# KiCad board register-motherboard.kicad_pcb (continued)
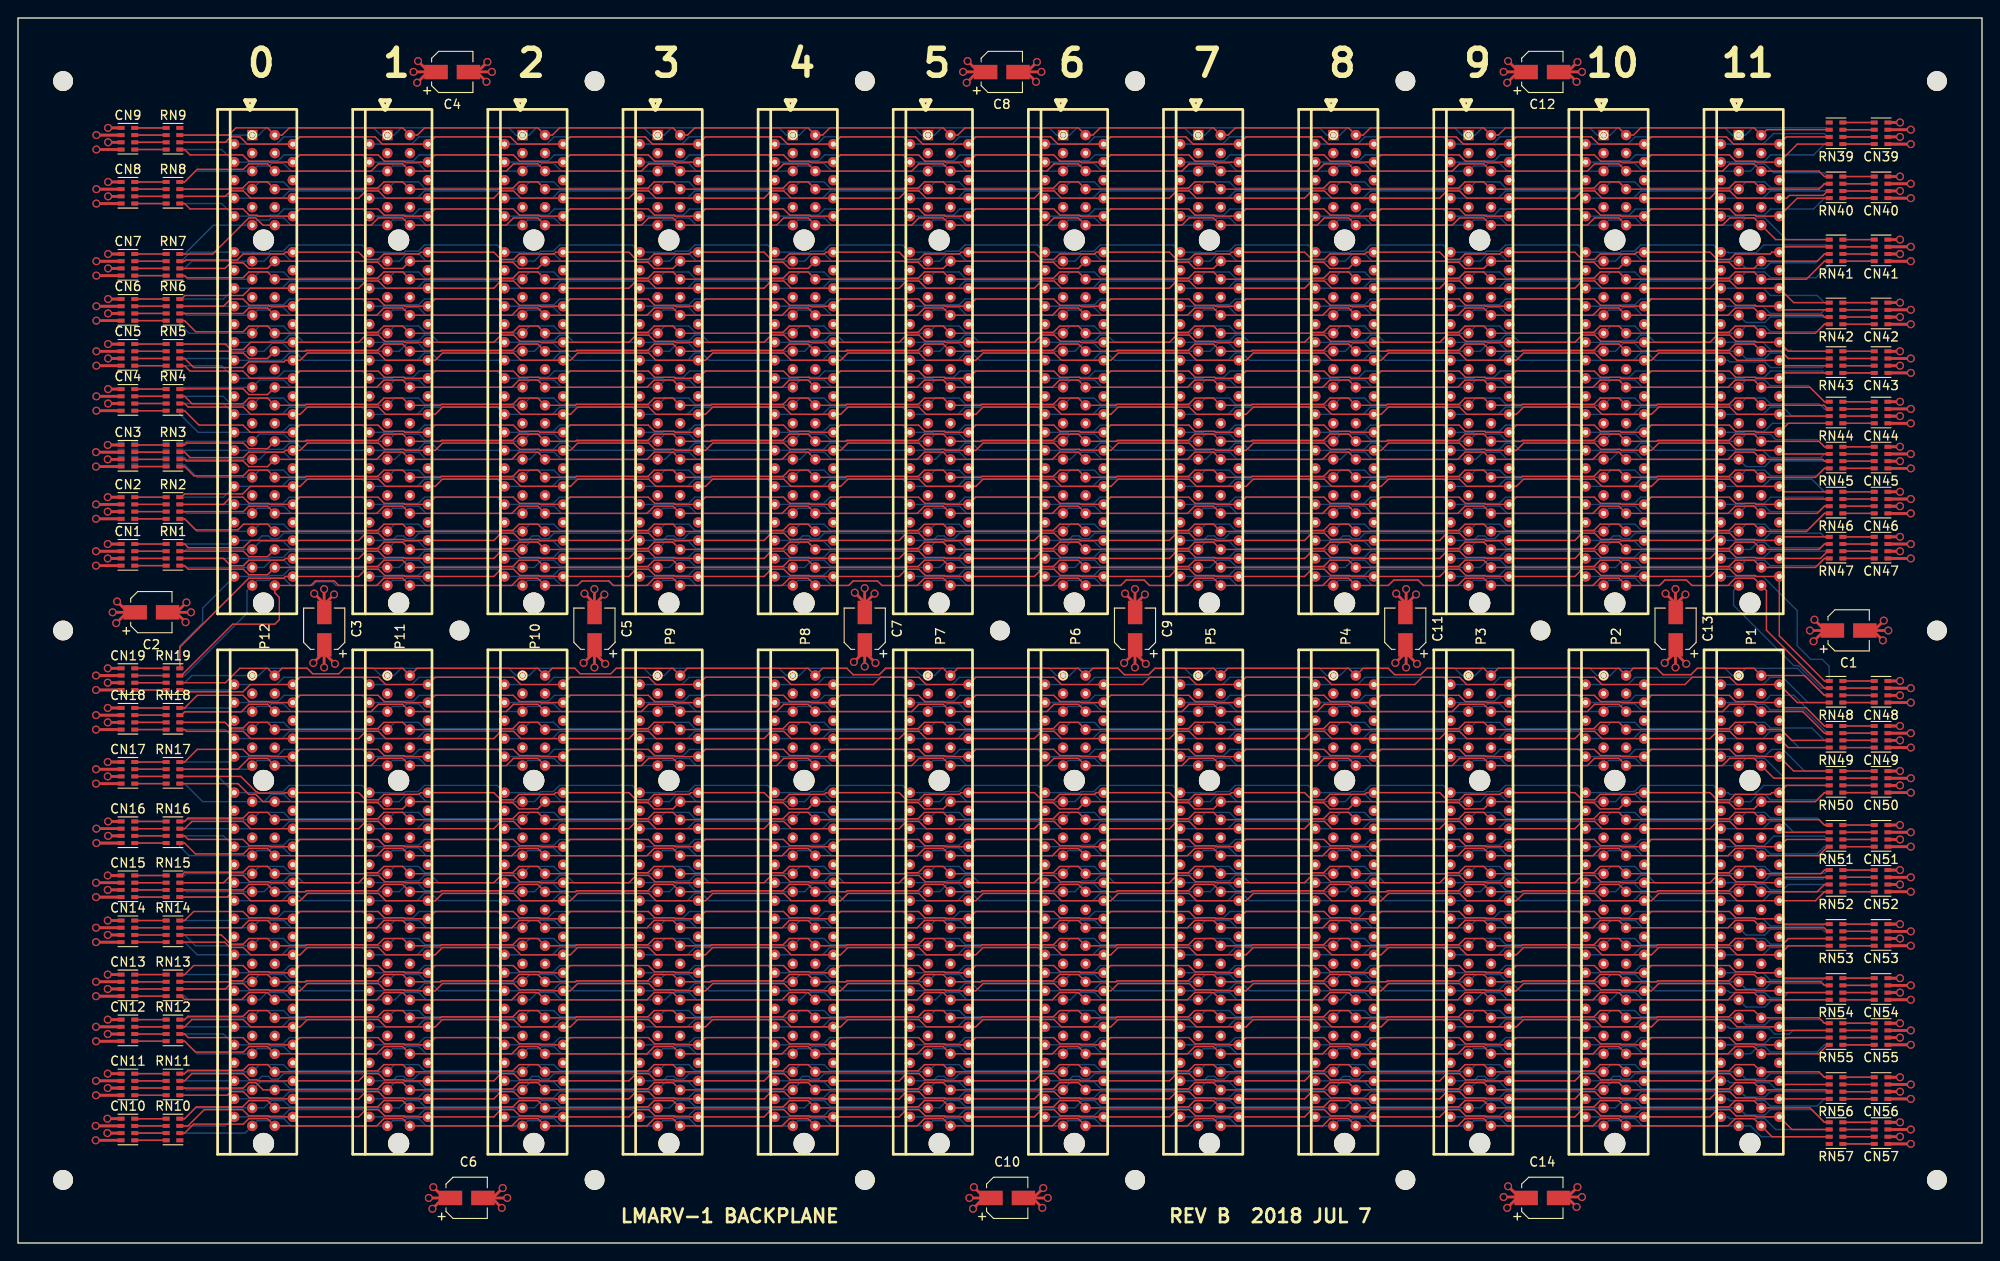
[diagram p0: board, top side]
## Routing (per net, layer and track width the routed paths; a pad name or vN(x,y) marks a point on that pad's centre or on a via; arc(x,y) is an arc through that point) (continued)
/rs1[5]: length 191.3
  Top w0.152: RN15.7 22.81,40 23.61,40.8 25.01,40.8 25.7,40.11 27.82,40.11 27.93,40 P12.169 37.81,40 38.61,40.8 40.01,40.8 40.7,40.11 42.82,40.11 42.93,40 P11.169 52.81,40 53.61,40.8 55.01,40.8 55.7,40.11 57.82,40.11 57.93,40 P10.169 67.81,40 68.61,40.8 70.01,40.8 70.7,40.11 72.82,40.11 72.93,40 P9.169 82.81,40 83.61,40.8 85.01,40.8 85.7,40.11 87.82,40.11 87.93,40 P8.169 97.81,40 98.61,40.8 100.01,40.8 100.7,40.11 102.82,40.11 102.93,40 P7.169 112.81,40 113.61,40.8 115.01,40.8 115.7,40.11 117.82,40.11 117.93,40 P6.169 127.81,40 128.61,40.8 130.01,40.8 130.7,40.11 132.82,40.11 132.93,40 P5.169 142.81,40 143.61,40.8 145.01,40.8 145.7,40.11 147.82,40.11 147.93,40 P4.169 157.81,40 158.61,40.8 160.01,40.8 160.7,40.11 162.82,40.11 162.93,40 P3.169 172.81,40 173.61,40.8 175.01,40.8 175.7,40.11 177.82,40.11 177.93,40 P2.169 187.81,40 188.61,40.8 190.01,40.8 190.7,40.11 192.82,40.11 192.93,40 P1.169 196.1,40.6 RN52.6
/rs1[6]: length 191.3
  Top w0.152: RN15.8 18.12,40.8 18.49,41.17 24.98,41.17 25.61,41.8 27.7,41.8 P12.168 38.38,41 38.49,41.11 39.92,41.11 40.61,41.8 42.7,41.8 P11.168 53.38,41 53.49,41.11 54.92,41.11 55.61,41.8 57.7,41.8 P10.168 68.38,41 68.49,41.11 69.92,41.11 70.61,41.8 72.7,41.8 P9.168 83.38,41 83.49,41.11 84.92,41.11 85.61,41.8 87.7,41.8 P8.168 98.38,41 98.49,41.11 99.92,41.11 100.61,41.8 102.7,41.8 P7.168 113.38,41 113.49,41.11 114.92,41.11 115.61,41.8 117.7,41.8 P6.168 128.38,41 128.49,41.11 129.92,41.11 130.61,41.8 132.7,41.8 P5.168 143.38,41 143.49,41.11 144.92,41.11 145.61,41.8 147.7,41.8 P4.168 158.38,41 158.49,41.11 159.92,41.11 160.61,41.8 162.7,41.8 P3.168 173.38,41 173.49,41.11 174.92,41.11 175.61,41.8 177.7,41.8 P2.168 188.38,41 188.49,41.11 189.92,41.11 190.61,41.8 192.7,41.8 P1.168 200.11,41 200.51,41.4 RN52.5
/rs1[7]: length 191.9
  Top w0.152: RN16.5 18.49,44.4 19.7,43.2 25.01,43.2 25.61,43.8 27.7,43.8 P12.166 39.81,43 40.61,43.8 42.7,43.8 P11.166 54.81,43 55.61,43.8 57.7,43.8 P10.166 69.81,43 70.61,43.8 72.7,43.8 P9.166 84.81,43 85.61,43.8 87.7,43.8 P8.166 99.81,43 100.61,43.8 102.7,43.8 P7.166 114.81,43 115.61,43.8 117.7,43.8 P6.166 129.81,43 130.61,43.8 132.7,43.8 P5.166 144.81,43 145.61,43.8 147.7,43.8 P4.166 159.81,43 160.61,43.8 162.7,43.8 P3.166 174.81,43 175.61,43.8 177.7,43.8 P2.166 189.81,43 190.61,43.8 192.7,43.8 P1.166 199.88,43 200.88,44 RN51.8
/rs1[8]: length 191.2
  Top w0.152: RN51.7 196.3,44.8 P1.165 192.93,44 192.82,44.11 190.66,44.11 189.97,44.8 181.3,44.8 P2.165 177.93,44 177.82,44.11 175.66,44.11 174.97,44.8 166.3,44.8 P3.165 162.93,44 162.82,44.11 160.66,44.11 159.97,44.8 151.3,44.8 P4.165 147.93,44 147.82,44.11 145.66,44.11 144.97,44.8 136.3,44.8 P5.165 132.93,44 132.82,44.11 130.66,44.11 129.97,44.8 121.3,44.8 P6.165 117.93,44 117.82,44.11 115.66,44.11 114.97,44.8 106.3,44.8 P7.165 102.93,44 102.82,44.11 100.66,44.11 99.97,44.8 91.3,44.8 P8.165 87.93,44 87.82,44.11 85.66,44.11 84.97,44.8 76.3,44.8 P9.165 72.93,44 72.82,44.11 70.66,44.11 69.97,44.8 61.3,44.8 P10.165 57.93,44 57.82,44.11 55.66,44.11 54.97,44.8 46.3,44.8 P11.165 42.93,44 42.82,44.11 40.66,44.11 39.97,44.8 31.3,44.8 P12.165 27.93,44 27.82,44.11 25.66,44.11 24.97,44.8 18.89,44.8 18.49,45.2 RN16.6
/rs1[9]: length 191.2
  Top w0.152: RN16.7 18.49,46 19.3,46.8 25.01,46.8 25.81,46 P12.163 37.81,46 38.61,46.8 40.01,46.8 40.81,46 P11.163 52.81,46 53.61,46.8 55.01,46.8 55.81,46 P10.163 67.81,46 68.61,46.8 70.01,46.8 70.81,46 P9.163 82.81,46 83.61,46.8 85.01,46.8 85.81,46 P8.163 97.81,46 98.61,46.8 100.01,46.8 100.81,46 P7.163 112.81,46 113.61,46.8 115.01,46.8 115.81,46 P6.163 127.81,46 128.61,46.8 130.01,46.8 130.81,46 P5.163 142.81,46 143.61,46.8 145.01,46.8 145.81,46 P4.163 157.81,46 158.61,46.8 160.01,46.8 160.81,46 P3.163 172.81,46 173.61,46.8 175.01,46.8 175.81,46 P2.163 187.81,46 188.61,46.8 190.01,46.8 190.81,46 P1.163 195.9,45.6 RN51.6
/rs1[10]: length 191.4
  Top w0.152: RN51.5 200.51,46.4 199.91,47 P1.162 192.7,47.8 190.61,47.8 189.92,47.11 188.49,47.11 188.38,47 P2.162 177.7,47.8 175.61,47.8 174.92,47.11 173.49,47.11 173.38,47 P3.162 162.7,47.8 160.61,47.8 159.92,47.11 158.49,47.11 158.38,47 P4.162 147.7,47.8 145.61,47.8 144.92,47.11 143.49,47.11 143.38,47 P5.162 132.7,47.8 130.61,47.8 129.92,47.11 128.49,47.11 128.38,47 P6.162 117.7,47.8 115.61,47.8 114.92,47.11 113.49,47.11 113.38,47 P7.162 102.7,47.8 100.61,47.8 99.92,47.11 98.49,47.11 98.38,47 P8.162 87.7,47.8 85.61,47.8 84.92,47.11 83.49,47.11 83.38,47 P9.162 72.7,47.8 70.61,47.8 69.92,47.11 68.49,47.11 68.38,47 P10.162 57.7,47.8 55.61,47.8 54.92,47.11 53.49,47.11 53.38,47 P11.162 42.7,47.8 40.61,47.8 39.92,47.11 38.49,47.11 38.38,47 P12.162 27.7,47.8 25.61,47.8 24.98,47.17 18.86,47.17 18.49,46.8 RN16.8
/rs1[11]: length 191.6
  Top w0.152: RN17.5 24.42,51 25.61,49.8 26.39,49.8 27.19,49 P12.160 38.38,49 38.49,48.89 39.92,48.89 40.61,48.2 42.7,48.2 P11.160 53.38,49 53.49,48.89 54.92,48.89 55.61,48.2 57.7,48.2 P10.160 68.38,49 68.49,48.89 69.92,48.89 70.61,48.2 72.7,48.2 P9.160 83.38,49 83.49,48.89 84.92,48.89 85.61,48.2 87.7,48.2 P8.160 98.38,49 98.49,48.89 99.92,48.89 100.61,48.2 102.7,48.2 P7.160 113.38,49 113.49,48.89 114.92,48.89 115.61,48.2 117.7,48.2 P6.160 128.38,49 128.49,48.89 129.92,48.89 130.61,48.2 132.7,48.2 P5.160 143.38,49 143.49,48.89 144.92,48.89 145.61,48.2 147.7,48.2 P4.160 158.38,49 158.49,48.89 159.92,48.89 160.61,48.2 162.7,48.2 P3.160 173.38,49 173.49,48.89 174.92,48.89 175.61,48.2 177.7,48.2 P2.160 188.38,49 188.49,48.89 189.92,48.89 190.61,48.2 192.7,48.2 P1.160 199.51,49 200.51,50 RN50.8
/rs1[12]: length 191.5
  Top w0.152: RN50.7 196.3,50.8 P1.159 194.69,50 194.49,49.8 190.61,49.8 190.01,49.2 188.61,49.2 187.81,50 P2.159 179.69,50 179.49,49.8 175.61,49.8 175.01,49.2 173.61,49.2 172.81,50 P3.159 164.69,50 164.49,49.8 160.61,49.8 160.01,49.2 158.61,49.2 157.81,50 P4.159 149.69,50 149.49,49.8 145.61,49.8 145.01,49.2 143.61,49.2 142.81,50 P5.159 134.69,50 134.49,49.8 130.61,49.8 130.01,49.2 128.61,49.2 127.81,50 P6.159 119.69,50 119.49,49.8 115.61,49.8 115.01,49.2 113.61,49.2 112.81,50 P7.159 104.69,50 104.49,49.8 100.61,49.8 100.01,49.2 98.61,49.2 97.81,50 P8.159 89.69,50 89.49,49.8 85.61,49.8 85.01,49.2 83.61,49.2 82.81,50 P9.159 74.69,50 74.49,49.8 70.61,49.8 70.01,49.2 68.61,49.2 67.81,50 P10.159 59.69,50 59.49,49.8 55.61,49.8 55.01,49.2 53.61,49.2 52.81,50 P11.159 44.69,50 44.49,49.8 40.61,49.8 40.01,49.2 38.61,49.2 37.81,50 P12.159 29.69,50 29.63,49.95 26.67,49.95 26.51,50.11 26.41,50.11 24.72,51.8 RN17.6
/rs1[13]: length 191.8
  Top w0.152: RN17.7 24.41,52.6 25.61,53.8 27.7,53.8 P12.158 39.19,53 39.99,53.8 42.7,53.8 P11.158 54.19,53 54.99,53.8 57.7,53.8 P10.158 69.19,53 69.99,53.8 72.7,53.8 P9.158 84.19,53 84.99,53.8 87.7,53.8 P8.158 99.19,53 99.99,53.8 102.7,53.8 P7.158 114.19,53 114.99,53.8 117.7,53.8 P6.158 129.19,53 129.99,53.8 132.7,53.8 P5.158 144.19,53 144.99,53.8 147.7,53.8 P4.158 159.19,53 159.99,53.8 162.7,53.8 P3.158 174.19,53 174.99,53.8 177.7,53.8 P2.158 189.19,53 189.99,53.8 192.7,53.8 P1.158 194.9,51.6 RN50.6
/rs1[14]: length 192
  Top w0.152: RN50.5 197.1,52.4 P1.157 192.93,54 192.82,54.11 190.66,54.11 189.97,54.8 181.3,54.8 P2.157 177.93,54 177.82,54.11 175.66,54.11 174.97,54.8 166.3,54.8 P3.157 162.93,54 162.82,54.11 160.66,54.11 159.97,54.8 151.3,54.8 P4.157 147.93,54 147.82,54.11 145.66,54.11 144.97,54.8 136.3,54.8 P5.157 132.93,54 132.82,54.11 130.66,54.11 129.97,54.8 121.3,54.8 P6.157 117.93,54 117.82,54.11 115.66,54.11 114.97,54.8 106.3,54.8 P7.157 102.93,54 102.82,54.11 100.66,54.11 99.97,54.8 91.3,54.8 P8.157 87.93,54 87.82,54.11 85.66,54.11 84.97,54.8 76.3,54.8 P9.157 72.93,54 72.82,54.11 70.66,54.11 69.97,54.8 61.3,54.8 P10.157 57.93,54 57.82,54.11 55.66,54.11 54.97,54.8 46.3,54.8 P11.157 42.93,54 42.82,54.11 40.66,54.11 39.97,54.8 31.3,54.8 P12.157 27.93,54 27.82,54.11 25.66,54.11 24.97,54.8 19.9,54.8 18.49,53.4 RN17.8
/rs1[15]: length 191.2
  Top w0.152: RN18.5 18.49,57 18.69,56.8 25.01,56.8 25.81,56 P12.155 37.81,56 38.61,56.8 40.01,56.8 40.81,56 P11.155 52.81,56 53.61,56.8 55.01,56.8 55.81,56 P10.155 67.81,56 68.61,56.8 70.01,56.8 70.81,56 P9.155 82.81,56 83.61,56.8 85.01,56.8 85.81,56 P8.155 97.81,56 98.61,56.8 100.01,56.8 100.81,56 P7.155 112.81,56 113.61,56.8 115.01,56.8 115.81,56 P6.155 127.81,56 128.61,56.8 130.01,56.8 130.81,56 P5.155 142.81,56 143.61,56.8 145.01,56.8 145.81,56 P4.155 157.81,56 158.61,56.8 160.01,56.8 160.81,56 P3.155 172.81,56 173.61,56.8 175.01,56.8 175.81,56 P2.155 187.81,56 188.61,56.8 190.01,56.8 190.81,56 P1.155 196.5,55 RN49.8
/rs1[16]: length 191.4
  Top w0.152: RN5.8 23.01,99.8 23.61,99.2 25.01,99.2 25.81,100 P12.120 37.81,100 38.61,100.8 40.01,100.8 40.7,100.11 42.82,100.11 42.93,100 P11.120 52.81,100 53.61,100.8 55.01,100.8 55.7,100.11 57.82,100.11 57.93,100 P10.120 67.81,100 68.61,100.8 70.01,100.8 70.7,100.11 72.82,100.11 72.93,100 P9.120 82.81,100 83.61,100.8 85.01,100.8 85.7,100.11 87.82,100.11 87.93,100 P8.120 97.81,100 98.61,100.8 100.01,100.8 100.7,100.11 102.82,100.11 102.93,100 P7.120 112.81,100 113.61,100.8 115.01,100.8 115.7,100.11 117.82,100.11 117.93,100 P6.120 127.81,100 128.61,100.8 130.01,100.8 130.7,100.11 132.82,100.11 132.93,100 P5.120 142.81,100 143.61,100.8 145.01,100.8 145.7,100.11 147.82,100.11 147.93,100 P4.120 157.81,100 158.61,100.8 160.01,100.8 160.7,100.11 162.82,100.11 162.93,100 P3.120 172.81,100 173.61,100.8 175.01,100.8 175.7,100.11 177.82,100.11 177.93,100 P2.120 187.81,100 188.61,100.8 190.01,100.8 190.7,100.11 192.82,100.11 192.93,100 P1.120 196.5,99 RN43.5
/rs1[17]: length 191.9
  Top w0.152: RN6.5 18.49,102.4 19.72,101.17 24.98,101.17 25.61,101.8 27.7,101.8 P12.119 38.38,101 38.49,101.11 39.92,101.11 40.61,101.8 42.7,101.8 P11.119 53.38,101 53.49,101.11 54.92,101.11 55.61,101.8 57.7,101.8 P10.119 68.38,101 68.49,101.11 69.92,101.11 70.61,101.8 72.7,101.8 P9.119 83.38,101 83.49,101.11 84.92,101.11 85.61,101.8 87.7,101.8 P8.119 98.38,101 98.49,101.11 99.92,101.11 100.61,101.8 102.7,101.8 P7.119 113.38,101 113.49,101.11 114.92,101.11 115.61,101.8 117.7,101.8 P6.119 128.38,101 128.49,101.11 129.92,101.11 130.61,101.8 132.7,101.8 P5.119 143.38,101 143.49,101.11 144.92,101.11 145.61,101.8 147.7,101.8 P4.119 158.38,101 158.49,101.11 159.92,101.11 160.61,101.8 162.7,101.8 P3.119 173.38,101 173.49,101.11 174.92,101.11 175.61,101.8 177.7,101.8 P2.119 188.38,101 188.49,101.11 189.92,101.11 190.61,101.8 192.7,101.8 P1.119 199.51,101 200.51,102 RN42.8
/rs1[18]: length 191.1
  Top w0.152: RN6.6 18.49,103.2 18.5,103.2 25.01,103.2 25.61,103.8 27.7,103.8 P12.117 39.81,103 40.61,103.8 42.7,103.8 P11.117 54.81,103 55.61,103.8 57.7,103.8 P10.117 69.81,103 70.61,103.8 72.7,103.8 P9.117 84.81,103 85.61,103.8 87.7,103.8 P8.117 99.81,103 100.61,103.8 102.7,103.8 P7.117 114.81,103 115.61,103.8 117.7,103.8 P6.117 129.81,103 130.61,103.8 132.7,103.8 P5.117 144.81,103 145.61,103.8 147.7,103.8 P4.117 159.81,103 160.61,103.8 162.7,103.8 P3.117 174.81,103 175.61,103.8 177.7,103.8 P2.117 189.81,103 190.61,103.8 192.7,103.8 P1.117 200.31,103 200.51,102.8 RN42.7
/rs1[19]: length 191.2
  Top w0.152: RN42.6 195.9,103.6 P1.116 192.93,104 192.82,104.11 190.66,104.11 189.97,104.8 181.3,104.8 P2.116 177.93,104 177.82,104.11 175.66,104.11 174.97,104.8 166.3,104.8 P3.116 162.93,104 162.82,104.11 160.66,104.11 159.97,104.8 151.3,104.8 P4.116 147.93,104 147.82,104.11 145.66,104.11 144.97,104.8 136.3,104.8 P5.116 132.93,104 132.82,104.11 130.66,104.11 129.97,104.8 121.3,104.8 P6.116 117.93,104 117.82,104.11 115.66,104.11 114.97,104.8 106.3,104.8 P7.116 102.93,104 102.82,104.11 100.66,104.11 99.97,104.8 91.3,104.8 P8.116 87.93,104 87.82,104.11 85.66,104.11 84.97,104.8 76.3,104.8 P9.116 72.93,104 72.82,104.11 70.66,104.11 69.97,104.8 61.3,104.8 P10.116 57.93,104 57.82,104.11 55.66,104.11 54.97,104.8 46.3,104.8 P11.116 42.93,104 42.82,104.11 40.66,104.11 39.97,104.8 31.3,104.8 P12.116 27.93,104 27.82,104.11 25.66,104.11 24.97,104.8 23.61,104.8 22.81,104 RN6.7
/rs1[20]: length 191.6
  Top w0.152: RN6.8 18.12,104.8 18.52,105.2 24.97,105.2 25.77,106 P12.114 37.81,106 38.61,106.8 40.01,106.8 40.81,106 P11.114 52.81,106 53.61,106.8 55.01,106.8 55.81,106 P10.114 67.81,106 68.61,106.8 70.01,106.8 70.81,106 P9.114 82.81,106 83.61,106.8 85.01,106.8 85.81,106 P8.114 97.81,106 98.61,106.8 100.01,106.8 100.81,106 P7.114 112.81,106 113.61,106.8 115.01,106.8 115.81,106 P6.114 127.81,106 128.61,106.8 130.01,106.8 130.81,106 P5.114 142.81,106 143.61,106.8 145.01,106.8 145.81,106 P4.114 157.81,106 158.61,106.8 160.01,106.8 160.81,106 P3.114 172.81,106 173.61,106.8 175.01,106.8 175.81,106 P2.114 187.81,106 188.61,106.8 190.01,106.8 190.81,106 P1.114 197.1,104.4 RN42.5
/rs1[21]: length 191.9
  Top w0.152: RN7.5 18.49,107.4 18.72,107.17 24.98,107.17 25.61,107.8 27.7,107.8 P12.113 38.38,107 38.49,107.11 39.92,107.11 40.61,107.8 42.7,107.8 P11.113 53.38,107 53.49,107.11 54.92,107.11 55.61,107.8 57.7,107.8 P10.113 68.38,107 68.49,107.11 69.92,107.11 70.61,107.8 72.7,107.8 P9.113 83.38,107 83.49,107.11 84.92,107.11 85.61,107.8 87.7,107.8 P8.113 98.38,107 98.49,107.11 99.92,107.11 100.61,107.8 102.7,107.8 P7.113 113.38,107 113.49,107.11 114.92,107.11 115.61,107.8 117.7,107.8 P6.113 128.38,107 128.49,107.11 129.92,107.11 130.61,107.8 132.7,107.8 P5.113 143.38,107 143.49,107.11 144.92,107.11 145.61,107.8 147.7,107.8 P4.113 158.38,107 158.49,107.11 159.92,107.11 160.61,107.8 162.7,107.8 P3.113 173.38,107 173.49,107.11 174.92,107.11 175.61,107.8 177.7,107.8 P2.113 188.38,107 188.49,107.11 189.92,107.11 190.61,107.8 192.7,107.8 P1.113 198.51,107 200.51,109 RN41.8
/rs1[22]: length 191.6
  Top w0.152: RN7.6 22.97,108.2 23.6,108.83 24.98,108.83 25.61,108.2 27.7,108.2 P12.111 38.38,109 38.49,108.89 39.92,108.89 40.61,108.2 42.7,108.2 P11.111 53.38,109 53.49,108.89 54.92,108.89 55.61,108.2 57.7,108.2 P10.111 68.38,109 68.49,108.89 69.92,108.89 70.61,108.2 72.7,108.2 P9.111 83.38,109 83.49,108.89 84.92,108.89 85.61,108.2 87.7,108.2 P8.111 98.38,109 98.49,108.89 99.92,108.89 100.61,108.2 102.7,108.2 P7.111 113.38,109 113.49,108.89 114.92,108.89 115.61,108.2 117.7,108.2 P6.111 128.38,109 128.49,108.89 129.92,108.89 130.61,108.2 132.7,108.2 P5.111 143.38,109 143.49,108.89 144.92,108.89 145.61,108.2 147.7,108.2 P4.111 158.38,109 158.49,108.89 159.92,108.89 160.61,108.2 162.7,108.2 P3.111 173.38,109 173.49,108.89 174.92,108.89 175.61,108.2 177.7,108.2 P2.111 188.38,109 188.49,108.89 189.92,108.89 190.61,108.2 192.7,108.2 P1.111 199.71,109 200.51,109.8 RN41.7
/rs1[23]: length 191.1
  Top w0.152: RN7.7 18.49,109 18.63,109.13 24.32,109.13 24.99,109.8 29.49,109.8 29.69,110 P12.110 37.81,110 38.61,109.2 40.01,109.2 40.61,109.8 44.49,109.8 44.69,110 P11.110 52.81,110 53.61,109.2 55.01,109.2 55.61,109.8 59.49,109.8 59.69,110 P10.110 67.81,110 68.61,109.2 70.01,109.2 70.61,109.8 74.49,109.8 74.69,110 P9.110 82.81,110 83.61,109.2 85.01,109.2 85.61,109.8 89.49,109.8 89.69,110 P8.110 97.81,110 98.61,109.2 100.01,109.2 100.61,109.8 104.49,109.8 104.69,110 P7.110 112.81,110 113.61,109.2 115.01,109.2 115.61,109.8 119.49,109.8 119.69,110 P6.110 127.81,110 128.61,109.2 130.01,109.2 130.61,109.8 134.49,109.8 134.69,110 P5.110 142.81,110 143.61,109.2 145.01,109.2 145.61,109.8 149.49,109.8 149.69,110 P4.110 157.81,110 158.61,109.2 160.01,109.2 160.61,109.8 164.49,109.8 164.69,110 P3.110 172.81,110 173.61,109.2 175.01,109.2 175.61,109.8 179.49,109.8 179.69,110 P2.110 187.81,110 188.61,109.2 190.01,109.2 190.61,109.8 194.49,109.8 194.69,110 P1.110 196.1,110.6 RN41.6
/rs1[24]: length 193.1
  Top w0.152: RN7.8 21.61,109.8 25.61,113.8 26.39,113.8 27.19,113 P12.109 39.19,113 39.99,113.8 42.7,113.8 P11.109 54.19,113 54.99,113.8 57.7,113.8 P10.109 69.19,113 69.99,113.8 72.7,113.8 P9.109 84.19,113 84.99,113.8 87.7,113.8 P8.109 99.19,113 99.99,113.8 102.7,113.8 P7.109 114.19,113 114.99,113.8 117.7,113.8 P6.109 129.19,113 129.99,113.8 132.7,113.8 P5.109 144.19,113 144.99,113.8 147.7,113.8 P4.109 159.19,113 159.99,113.8 162.7,113.8 P3.109 174.19,113 174.99,113.8 177.7,113.8 P2.109 189.19,113 189.99,113.8 192.7,113.8 P1.109 195.1,111.4 RN41.5
/rs1[25]: length 191.8
  Top w0.152: RN8.5 18.49,115.4 19.09,114.8 24.97,114.8 25.66,114.11 26.51,114.11 26.62,114 P12.108 31.3,114.8 39.97,114.8 40.66,114.11 42.82,114.11 42.93,114 P11.108 46.3,114.8 54.97,114.8 55.66,114.11 57.82,114.11 57.93,114 P10.108 61.3,114.8 69.97,114.8 70.66,114.11 72.82,114.11 72.93,114 P9.108 76.3,114.8 84.97,114.8 85.66,114.11 87.82,114.11 87.93,114 P8.108 91.3,114.8 99.97,114.8 100.66,114.11 102.82,114.11 102.93,114 P7.108 106.3,114.8 114.97,114.8 115.66,114.11 117.82,114.11 117.93,114 P6.108 121.3,114.8 129.97,114.8 130.66,114.11 132.82,114.11 132.93,114 P5.108 136.3,114.8 144.97,114.8 145.66,114.11 147.82,114.11 147.93,114 P4.108 151.3,114.8 159.97,114.8 160.66,114.11 162.82,114.11 162.93,114 P3.108 166.3,114.8 174.97,114.8 175.66,114.11 177.82,114.11 177.93,114 P2.108 181.3,114.8 189.97,114.8 190.66,114.11 192.82,114.11 192.93,114 P1.108 197.5,116 RN40.8
/rs1[26]: length 191.3
  Top w0.152: RN40.7 200.88,116.8 200.38,116.3 196.62,116.3 196.31,116 P1.106 190.81,116 190.01,116.8 188.61,116.8 187.81,116 P2.106 175.81,116 175.01,116.8 173.61,116.8 172.81,116 P3.106 160.81,116 160.01,116.8 158.61,116.8 157.81,116 P4.106 145.81,116 145.01,116.8 143.61,116.8 142.81,116 P5.106 130.81,116 130.01,116.8 128.61,116.8 127.81,116 P6.106 115.81,116 115.01,116.8 113.61,116.8 112.81,116 P7.106 100.81,116 100.01,116.8 98.61,116.8 97.81,116 P8.106 85.81,116 85.01,116.8 83.61,116.8 82.81,116 P9.106 70.81,116 70.01,116.8 68.61,116.8 67.81,116 P10.106 55.81,116 55.01,116.8 53.61,116.8 52.81,116 P11.106 40.81,116 40.01,116.8 38.61,116.8 37.81,116 P12.106 25.81,116 25.01,116.8 23.61,116.8 23.01,116.2 RN8.6
/rs1[27]: length 191.3
  Top w0.152: RN40.6 200.51,117.6 199.91,117 P1.105 192.7,117.8 190.61,117.8 189.92,117.11 188.49,117.11 188.38,117 P2.105 177.7,117.8 175.61,117.8 174.92,117.11 173.49,117.11 173.38,117 P3.105 162.7,117.8 160.61,117.8 159.92,117.11 158.49,117.11 158.38,117 P4.105 147.7,117.8 145.61,117.8 144.92,117.11 143.49,117.11 143.38,117 P5.105 132.7,117.8 130.61,117.8 129.92,117.11 128.49,117.11 128.38,117 P6.105 117.7,117.8 115.61,117.8 114.92,117.11 113.49,117.11 113.38,117 P7.105 102.7,117.8 100.61,117.8 99.92,117.11 98.49,117.11 98.38,117 P8.105 87.7,117.8 85.61,117.8 84.92,117.11 83.49,117.11 83.38,117 P9.105 72.7,117.8 70.61,117.8 69.92,117.11 68.49,117.11 68.38,117 P10.105 57.7,117.8 55.61,117.8 54.92,117.11 53.49,117.11 53.38,117 P11.105 42.7,117.8 40.61,117.8 39.92,117.11 38.49,117.11 38.38,117 P12.105 27.7,117.8 25.61,117.8 24.92,117.11 23.49,117.11 23.38,117 RN8.7
/rs1[28]: length 191.8
  Top w0.152: RN8.8 18.49,117.8 19.89,119.2 25.01,119.2 25.61,119.8 27.7,119.8 P12.103 39.19,119 39.99,119.8 42.7,119.8 P11.103 54.19,119 54.99,119.8 57.7,119.8 P10.103 69.19,119 69.99,119.8 72.7,119.8 P9.103 84.19,119 84.99,119.8 87.7,119.8 P8.103 99.19,119 99.99,119.8 102.7,119.8 P7.103 114.19,119 114.99,119.8 117.7,119.8 P6.103 129.19,119 129.99,119.8 132.7,119.8 P5.103 144.19,119 144.99,119.8 147.7,119.8 P4.103 159.19,119 159.99,119.8 162.7,119.8 P3.103 174.19,119 174.99,119.8 177.7,119.8 P2.103 189.19,119 189.99,119.8 192.7,119.8 P1.103 199.91,119 200.51,118.4 RN40.5
/rs1[29]: length 191.8
  Top w0.152: RN39.8 197.5,122 P1.102 192.93,120 192.82,120.11 190.66,120.11 189.97,120.8 181.3,120.8 P2.102 177.93,120 177.82,120.11 175.66,120.11 174.97,120.8 166.3,120.8 P3.102 162.93,120 162.82,120.11 160.66,120.11 159.97,120.8 151.3,120.8 P4.102 147.93,120 147.82,120.11 145.66,120.11 144.97,120.8 136.3,120.8 P5.102 132.93,120 132.82,120.11 130.66,120.11 129.97,120.8 121.3,120.8 P6.102 117.93,120 117.82,120.11 115.66,120.11 114.97,120.8 106.3,120.8 P7.102 102.93,120 102.82,120.11 100.66,120.11 99.97,120.8 91.3,120.8 P8.102 87.93,120 87.82,120.11 85.66,120.11 84.97,120.8 76.3,120.8 P9.102 72.93,120 72.82,120.11 70.66,120.11 69.97,120.8 61.3,120.8 P10.102 57.93,120 57.82,120.11 55.66,120.11 54.97,120.8 46.3,120.8 P11.102 42.93,120 42.82,120.11 40.66,120.11 39.97,120.8 31.3,120.8 P12.102 27.93,120 27.82,120.11 25.62,120.11 24.93,120.8 19.09,120.8 18.49,121.4 RN9.5
/rs1[30]: length 191.3
  Top w0.152: RN39.7 196.3,122.8 P1.100 190.44,122 189.63,122.8 181.3,122.8 P2.100 175.44,122 174.63,122.8 166.3,122.8 P3.100 160.44,122 159.63,122.8 151.3,122.8 P4.100 145.44,122 144.63,122.8 136.3,122.8 P5.100 130.44,122 129.63,122.8 121.3,122.8 P6.100 115.44,122 114.63,122.8 106.3,122.8 P7.100 100.44,122 99.63,122.8 91.3,122.8 P8.100 85.44,122 84.63,122.8 76.3,122.8 P9.100 70.44,122 69.63,122.8 61.3,122.8 P10.100 55.44,122 54.63,122.8 46.3,122.8 P11.100 40.44,122 39.63,122.8 31.3,122.8 P12.100 25.44,122 24.63,122.8 23.61,122.8 23.01,122.2 RN9.6
/rs1[31]: length 191.3
  Top w0.152: RN9.7 23.38,123 24.18,123.8 27.7,123.8 P12.99 29.31,123 30.12,123.8 42.7,123.8 P11.99 44.31,123 45.12,123.8 57.7,123.8 P10.99 59.31,123 60.12,123.8 72.7,123.8 P9.99 74.31,123 75.12,123.8 87.7,123.8 P8.99 89.31,123 90.12,123.8 102.7,123.8 P7.99 104.31,123 105.12,123.8 117.7,123.8 P6.99 119.31,123 120.12,123.8 132.7,123.8 P5.99 134.31,123 135.12,123.8 147.7,123.8 P4.99 149.31,123 150.12,123.8 162.7,123.8 P3.99 164.31,123 165.12,123.8 177.7,123.8 P2.99 179.31,123 180.12,123.8 192.7,123.8 P1.99 194.1,123.6 RN39.6
/rs1a[0]: length 191.8
  Top w0.152: RN18.6 22.97,57.8 23.6,57.17 24.98,57.17 25.61,57.8 27.7,57.8 P12.154 38.38,57 38.49,57.11 39.92,57.11 40.61,57.8 42.7,57.8 P11.154 53.38,57 53.49,57.11 54.92,57.11 55.61,57.8 57.7,57.8 P10.154 68.38,57 68.49,57.11 69.92,57.11 70.61,57.8 72.7,57.8 P9.154 83.38,57 83.49,57.11 84.92,57.11 85.61,57.8 87.7,57.8 P8.154 98.38,57 98.49,57.11 99.92,57.11 100.61,57.8 102.7,57.8 P7.154 113.38,57 113.49,57.11 114.92,57.11 115.61,57.8 117.7,57.8 P6.154 128.38,57 128.49,57.11 129.92,57.11 130.61,57.8 132.7,57.8 P5.154 143.38,57 143.49,57.11 144.92,57.11 145.61,57.8 147.7,57.8 P4.154 158.38,57 158.49,57.11 159.92,57.11 160.61,57.8 162.7,57.8 P3.154 173.38,57 173.49,57.11 174.92,57.11 175.61,57.8 177.7,57.8 P2.154 188.38,57 188.49,57.11 189.92,57.11 190.61,57.8 192.7,57.8 P1.154 195.69,57 196.89,55.8 RN49.7
/rs1a[1]: length 192.2
  Top w0.152: RN49.6 200.51,56.6 198.11,59 P1.152 192.7,59.8 189.99,59.8 189.19,59 P2.152 177.7,59.8 174.99,59.8 174.19,59 P3.152 162.7,59.8 159.99,59.8 159.19,59 P4.152 147.7,59.8 144.99,59.8 144.19,59 P5.152 132.7,59.8 129.99,59.8 129.19,59 P6.152 117.7,59.8 114.99,59.8 114.19,59 P7.152 102.7,59.8 99.99,59.8 99.19,59 P8.152 87.7,59.8 84.99,59.8 84.19,59 P9.152 72.7,59.8 69.99,59.8 69.19,59 P10.152 57.7,59.8 54.99,59.8 54.19,59 P11.152 42.7,59.8 39.99,59.8 39.19,59 P12.152 27.7,59.8 25.61,59.8 24.78,58.97 18.49,58.97 18.12,58.6 RN18.7
/rs1a[2]: length 192.4
  Top w0.152: RN49.5 200.51,57.4 198.48,59.43 196.07,59.43 P1.151 192.93,60 192.82,60.11 190.66,60.11 189.97,60.8 181.3,60.8 P2.151 177.93,60 177.82,60.11 175.66,60.11 174.97,60.8 166.3,60.8 P3.151 162.93,60 162.82,60.11 160.66,60.11 159.97,60.8 151.3,60.8 P4.151 147.93,60 147.82,60.11 145.66,60.11 144.97,60.8 136.3,60.8 P5.151 132.93,60 132.82,60.11 130.66,60.11 129.97,60.8 121.3,60.8 P6.151 117.93,60 117.82,60.11 115.66,60.11 114.97,60.8 106.3,60.8 P7.151 102.93,60 102.82,60.11 100.66,60.11 99.97,60.8 91.3,60.8 P8.151 87.93,60 87.82,60.11 85.66,60.11 84.97,60.8 76.3,60.8 P9.151 72.93,60 72.82,60.11 70.66,60.11 69.97,60.8 61.3,60.8 P10.151 57.93,60 57.82,60.11 55.66,60.11 54.97,60.8 46.3,60.8 P11.151 42.93,60 42.82,60.11 40.66,60.11 39.97,60.8 31.3,60.8 P12.151 27.93,60 27.82,60.11 25.66,60.11 24.97,60.8 19.9,60.8 18.49,59.4 RN18.8
/rs1a[3]: length 191.6
  Top w0.152: RN19.5 18.49,61.4 18.7,61.2 24.97,61.2 25.77,62 P12.149 31.3,62.8 40.01,62.8 40.81,62 P11.149 46.3,62.8 55.01,62.8 55.81,62 P10.149 61.3,62.8 70.01,62.8 70.81,62 P9.149 76.3,62.8 85.01,62.8 85.81,62 P8.149 94.93,62 95.73,62.8 100.01,62.8 100.81,62 P7.149 106.3,62.8 115.01,62.8 115.81,62 P6.149 124.83,62 125.63,62.8 130.01,62.8 130.81,62 P5.149 136.3,62.8 145.01,62.8 145.81,62 P4.149 155.03,62 155.83,62.8 160.01,62.8 160.81,62 P3.149 166.3,62.8 175.01,62.8 175.81,62 P2.149 185.03,62 185.83,62.8 190.01,62.8 190.81,62 P1.149 197.5,60 RN48.8
/rs1a[4]: length 195.7
  Top w0.152: RN19.6 23.01,62.2 24.61,63.8 27.7,63.8 P12.148 29.3,63.8 32.1,63.8 32.7,63.2 35.6,63.2 36.2,63.8 42.7,63.8 P11.148 44.3,63.8 57.7,63.8 P10.148 59.3,63.8 61.8,63.8 61.8,63.8 62.4,63.2 65.8,63.2 66.4,63.8 72.7,63.8 P9.148 74.3,63.8 87.7,63.8 P8.148 89.3,63.8 92,63.8 92,63.8 92.7,63.1 95.6,63.1 96.3,63.8 102.7,63.8 P7.148 104.3,63.8 117.7,63.8 P6.148 119.3,63.8 122.1,63.8 122.1,63.8 122.8,63.1 125.5,63.1 126.2,63.8 132.7,63.8 P5.148 134.3,63.8 147.7,63.8 P4.148 149.3,63.8 152.1,63.8 152.1,63.8 152.8,63.1 155.7,63.1 156.4,63.8 162.7,63.8 P3.148 164.3,63.8 177.7,63.8 P2.148 179.3,63.8 181.9,63.8 181.9,63.8 182.6,63.1 185.7,63.1 186.4,63.8 192.7,63.8 P1.148 198.31,63 200.51,60.8 RN48.7
/rs2[0]: length 193.8
  Bottom w0.152: RN30.6 P12.93 26.57,18 27.07,18.5 27.81,18.5 28.11,18.2 28.89,18.2 29.49,18.8 38.2,18.8 P11.93 41.57,18 42.07,18.5 42.81,18.5 43.11,18.2 43.89,18.2 44.49,18.8 53.2,18.8 P10.93 56.57,18 57.07,18.5 57.81,18.5 58.11,18.2 58.89,18.2 59.49,18.8 68.2,18.8 P9.93 71.57,18 72.07,18.5 72.81,18.5 73.11,18.2 73.89,18.2 74.49,18.8 83.2,18.8 P8.93 86.57,18 87.07,18.5 87.81,18.5 88.11,18.2 88.89,18.2 89.49,18.8 98.2,18.8 P7.93 101.57,18 102.07,18.5 102.81,18.5 103.11,18.2 103.89,18.2 104.49,18.8 113.2,18.8 P6.93 116.57,18 117.07,18.5 117.81,18.5 118.11,18.2 118.89,18.2 119.49,18.8 128.2,18.8 P5.93 131.57,18 132.07,18.5 132.81,18.5 133.11,18.2 133.89,18.2 134.49,18.8 143.2,18.8 P4.93 146.57,18 147.07,18.5 147.81,18.5 148.11,18.2 148.89,18.2 149.49,18.8 158.2,18.8 P3.93 161.57,18 162.07,18.5 162.81,18.5 163.11,18.2 163.89,18.2 164.49,18.8 173.2,18.8 P2.93 176.57,18 177.07,18.5 177.81,18.5 178.11,18.2 178.89,18.2 179.49,18.8 188.2,18.8 P1.93 189.81,18 190.01,17.8 194.4,17.8 195.09,17.11 195.78,17.11 196.27,17.6 RN75.7